# Altium PCB 606-100835-r03.pcbdoc (part 1 of 3) (continued)
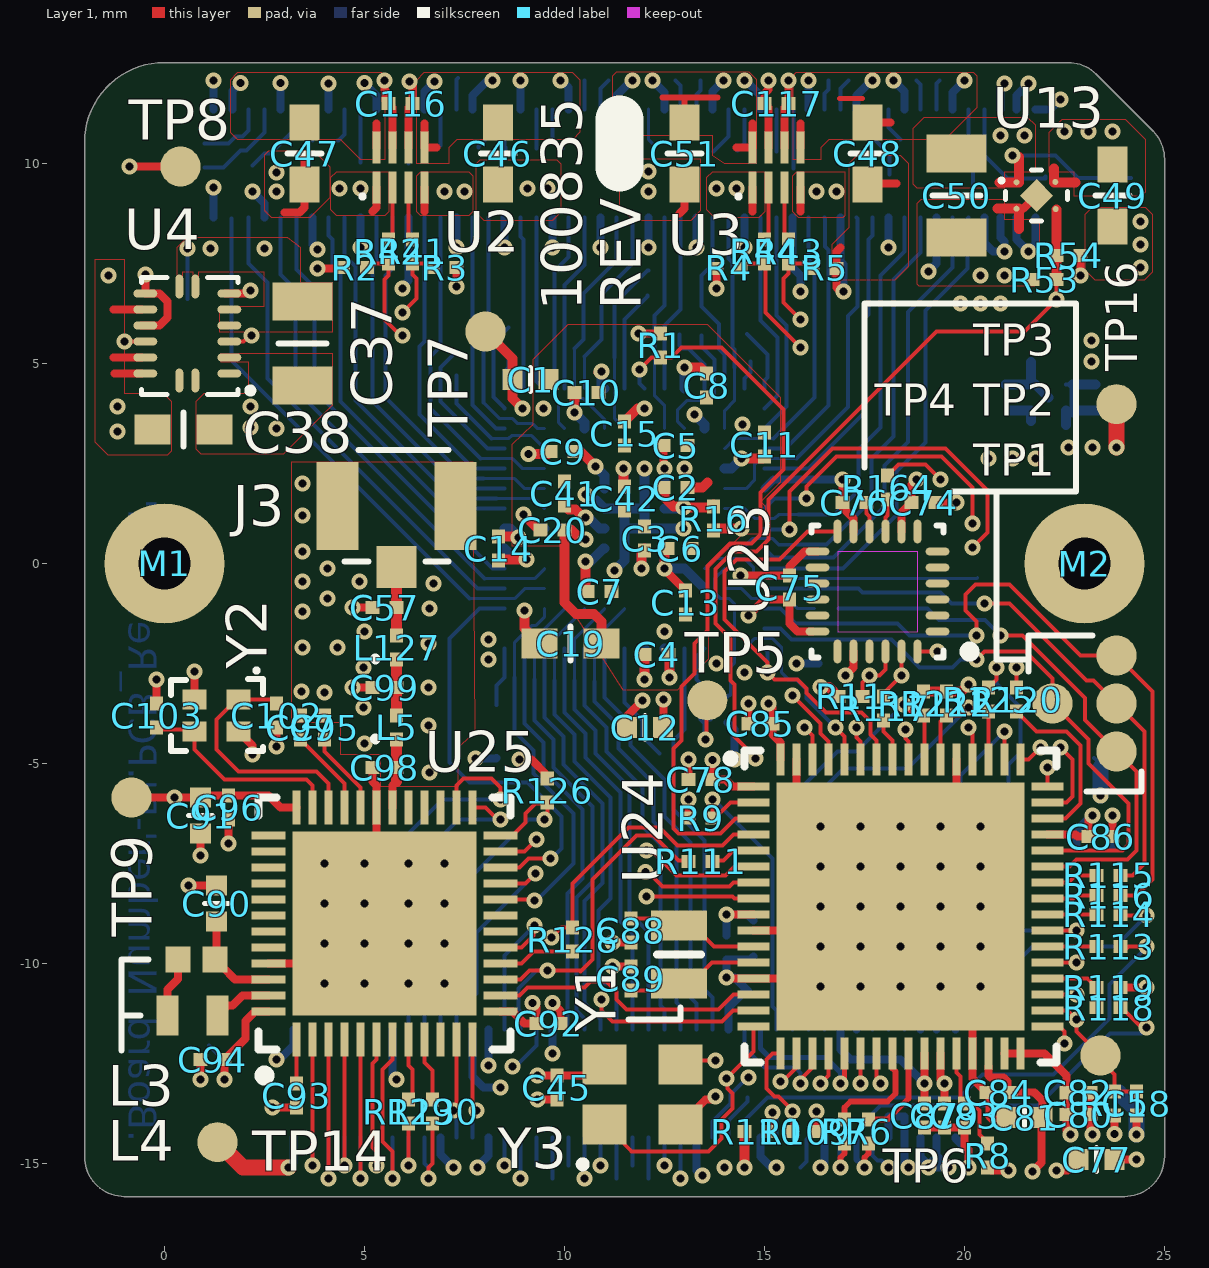
[diagram p0: Layer 1 view]
## Design rules (kind name [scope] priority, off if disabled: settings) (continued)
RoutingTopology [All] p0: scope1count=1 scope1_0_kind=Board scope1_0_value=Board scope2count=1 scope2_0_kind=Board scope2_0_value=Board commentlength=0 topology=Shortest
RoutingVias THVias [All] p0 off: scope1count=1 scope1_0_kind=Board scope1_0_value=Board scope2count=1 scope2_0_kind=Board scope2_0_value=Board commentlength=91 holewidth=0.2 width=0.4 viastyle="Through Hole" minholewidth=0.2 minwidth=0.4 maxholewidth=0.2 maxwidth=0.4 // Protel DXP Scope 1 Expression Was: ((StartLayer ='Layer 1') and (stopLayer='Layer 6' ))
RoutingVias MicroVias [All] p0 off: scope1count=1 scope1_0_kind=Board scope1_0_value=Board scope2count=1 scope2_0_kind=Board scope2_0_value=Board commentlength=89 holewidth=0.279 width=0.381 viastyle="Through Hole" minholewidth=0.279 minwidth=0.381 maxholewidth=0.279 maxwidth=0.381 // Protel DXP Scope 1 Expression Was: (StartLayer ='Layer 4') and (stopLayer='Layer 6' )
RoutingVias MicroVias [(StartLayer ='Layer 4') and (stopLayer='Layer 6' )] p1: holewidth=0.279 width=0.381 viastyle="Through Hole" minholewidth=0.279 minwidth=0.381 maxholewidth=0.279 maxwidth=0.381 useviatemplates=TRUE viatemplateguid#1={BAE8E7A9-EEE1-499E-BC9C-5D935B84C81D} viatemplatename#1=v38h28mx0
RoutingVias THVias [((StartLayer ='Layer 1') and (stopLayer='Layer 6' ))] p2: holewidth=0.2 width=0.4 viastyle="Through Hole" minholewidth=0.2 minwidth=0.4 maxholewidth=0.2 maxwidth=0.4
ShortCircuit [All] p0: scope1count=1 scope1_0_kind=Board scope1_0_value=Board scope2count=1 scope2_0_kind=Board scope2_0_value=Board commentlength=0 allowed=FALSE
SilkToBoardRegionClearance [All] p0: scope1count=1 scope1_0_kind=Board scope1_0_value=Board scope2count=1 scope2_0_kind=Board scope2_0_value=Board commentlength=0
SilkToSilkClearance [All] p0: scope1count=1 scope1_0_kind=Board scope1_0_value=Board scope2count=1 scope2_0_kind=Board scope2_0_value=Board commentlength=0
SilkToSilkClearance [All] p1: silktosilkclearance=0.017
SilkToSolderMaskClearance [All] p0 off: scope1count=1 scope1_0_kind=Board scope1_0_value=Board scope2count=1 scope2_0_kind=Board scope2_0_value=Board commentlength=44 // Protel DXP Scope 1 Expression Was: IsPad
SilkToSolderMaskClearance [IsPad] p1: minsilkscreentomaskgap=0.1 clearancetoexposedcopper=TRUE
SolderMaskExpansion [All] p0: scope1count=1 scope1_0_kind=Board scope1_0_value=Board scope2count=1 scope2_0_kind=Board scope2_0_value=Board commentlength=0 expansion=0.05
SolderMaskExpansion [All] p1: expansion=0.05
UnRoutedNet [All] p0: scope1count=1 scope1_0_kind=Board scope1_0_value=Board scope2count=1 scope2_0_kind=Board scope2_0_value=Board commentlength=0
UnpouredPolygon [All] p0: scope1count=1 scope1_0_kind=Board scope1_0_value=Board scope2count=1 scope2_0_kind=Board scope2_0_value=Board commentlength=0
Width Width_1 [All] p0: scope1count=1 scope1_0_kind=Board scope1_0_value=Board scope2count=1 scope2_0_kind=Board scope2_0_value=Board commentlength=0 maxlimit=0.35 minlimit=0.083 preferedwidth=0.2
Width Width_PWR_GND [All] p0: scope1count=1 scope1_0_kind=NetClass scope1_0_value=PWR_GND scope2count=1 scope2_0_kind=Board scope2_0_value=Board commentlength=0 maxlimit=0.4 minlimit=0.1 preferedwidth=0.2
Width Width_PWR_GND [InNetClass('PWR_GND')] p1: maxlimit=0.4 minlimit=0.1 preferedwidth=0.2
Width Width_1 [All] p2: maxlimit=0.35 minlimit=0.083 preferedwidth=0.2 toplayer_minwidth=0.1 toplayer_prefwidth=0.1 midlayer1_minwidth=0.1 midlayer1_maxwidth=0.3 midlayer1_prefwidth=0.1 midlayer3_minwidth=0.1 midlayer3_maxwidth=0.3 midlayer4_minwidth=0.1 midlayer4_maxwidth=0.3 midlayer4_prefwidth=0.1 bottomlayer_prefwidth=0.1 minimp=50.000000 maximp=50.000000 favimp=50.000000
17 further rules are at their usual default settings.

## Classes and differential pairs
pad class U6andU13Clearance: U6-5 U13-5
net class BGA: FPGA_CDONE FPGA_CRESET FPGA_DATA_RDY FPGA_GPIO_1 FPGA_GPIO_2 FPGA_GPIO_3 FPGA_GPIO_4 FPGA_GPIO_5 FPGA_GPIO_6 FPGA_GPIO_7 FPGA_GPIO_8 FPGA_GPIO_9 FPGA_GPIO_10 FPGA_JTAGEN FPGA_MCLK FPGA_MCU_1 FPGA_MCU_2 FPGA_MCU_3 FPGA_MISO FPGA_MOSI FPGA_NCS FPGA_NRST FPGA_SCLK FPGA_SDO FPGA_TCK FPGA_TDI FPGA_TDO FPGA_TMS NRF_FPGA_GPIO_1 NRF_FPGA_GPIO_2 SENSOR_A1 SENSOR_A2 SENSOR_A3 SENSOR_A4 SENSOR_A5 SENSOR_A6 SENSOR_A7 SENSOR_A8 SENSOR_A9 SENSOR_A10 SENSOR_A11 SENSOR_A12 SENSOR_A13 SENSOR_A14 SENSOR_A15 SENSOR_A16 SENSOR_A17 SENSOR_A18 SENSOR_A19 SENSOR_A20 SENSOR_A21 SENSOR_A22 SENSOR_A23 SENSOR_A24 SENSOR_A25 SENSOR_A26 SENSOR_A27 SENSOR_A28 SENSOR_A29 SENSOR_A30 SENSOR_A31 SENSOR_A32 SENSOR_B1 SENSOR_B2 SENSOR_B3 SENSOR_B4 SENSOR_B5 SENSOR_B6 SENSOR_B7 SENSOR_B8 SENSOR_B9 SENSOR_B10 SENSOR_B11 SENSOR_B12 SENSOR_B13 SENSOR_B14 SENSOR_B15 SENSOR_B16 SENSOR_B17 SENSOR_B18 SENSOR_B19 SENSOR_B20 SENSOR_B21 SENSOR_B22 SENSOR_B23 SENSOR_B24 SENSOR_B25 SENSOR_B26 SENSOR_B27 SENSOR_B28 SENSOR_B29 SENSOR_B30 SENSOR_B31 SENSOR_B32
component class U_FPGA_Power: C1 C2 C3 C4 C5 C6 C7 C8 C9 C10 C11 C12 C13 C14 C15 C19 C20 C41 C42 D1 R16
component class U_FPGA_IO: C18 C45 C46 C47 C48 C51 C116 C117 R2 R3 R4 R5 R10 R12 R13 R15 R41 R42 R43 R44 TP1 TP2 TP3 TP4 TP5 TP6 U1 U2 U3 Y3
component class U_MCU_IMU: C16 C17 C21 C52 C74 C75 C76 C77 C78 C79 C80 C81 C82 C83 C84 C85 C86 C87 C88 C89 R1 R6 R7 R8 R9 R11 R14 R109 R110 R111 R112 R113 R114 R115 R116 R117 R118 R119 R120 R122 R125 R164 U23 U24 Y1
component class U_NorthSide: J1
component class U_PowerCore: C37 C38 C39 C40 C49 C50 M1 M2 R53 R54 TP7 TP8 TP9 TP10 TP11 TP12 TP13 TP14 TP15 TP16 U4 U6 U13
component class U_RADIO: C57 C90 C91 C92 C93 C94 C95 C96 C97 C98 C99 C102 C103 J3 L3 L4 L5 L127 R126 R128 R129 R130 U25 Y2
component class U_SouthSide: J2
net class SENSOR_A[1..32]: SENSOR_A1 SENSOR_A2 SENSOR_A3 SENSOR_A4 SENSOR_A5 SENSOR_A6 SENSOR_A7 SENSOR_A8 SENSOR_A9 SENSOR_A10 SENSOR_A11 SENSOR_A12 SENSOR_A13 SENSOR_A14 SENSOR_A15 SENSOR_A16 SENSOR_A17 SENSOR_A18 SENSOR_A19 SENSOR_A20 SENSOR_A21 SENSOR_A22 SENSOR_A23 SENSOR_A24 SENSOR_A25 SENSOR_A26 SENSOR_A27 SENSOR_A28 SENSOR_A29 SENSOR_A30 SENSOR_A31 SENSOR_A32
net class SENSOR_B[1..32]: SENSOR_B1 SENSOR_B2 SENSOR_B3 SENSOR_B4 SENSOR_B5 SENSOR_B6 SENSOR_B7 SENSOR_B8 SENSOR_B9 SENSOR_B10 SENSOR_B11 SENSOR_B12 SENSOR_B13 SENSOR_B14 SENSOR_B15 SENSOR_B16 SENSOR_B17 SENSOR_B18 SENSOR_B19 SENSOR_B20 SENSOR_B21 SENSOR_B22 SENSOR_B23 SENSOR_B24 SENSOR_B25 SENSOR_B26 SENSOR_B27 SENSOR_B28 SENSOR_B29 SENSOR_B30 SENSOR_B31 SENSOR_B32
net class SENSOR_VCC[1..4]: SENSOR_VCC1 SENSOR_VCC2 SENSOR_VCC3 SENSOR_VCC4
net class PWR_GND: GND VCC_1V2 VCC_3V3_CORE VCC_3V3_SENSORS VCC_3V6 VCC_PLL
differential pair USB_D: +USB_D_P -USB_D_N
differential pair " ": +USB_MCU_D_P -USB_MCU_D_N

## Components (designator, comment, footprint, x,y, rotation, side; value= is the part's Value field where it differs from the comment)
C1 "4.7uF" 0402-IPCsm_55 9.15,4.6 r180 top
C2 "0.1uF" 0201-ipcsm_33 12.775,1.9 r0 top
C3 "0.1uF" 0201-ipcsm_33 12,0.625 r90 top
C4 "0.1uF" 0201-ipcsm_33 12.3,-2.275 r0 top
C5 "0.1uF" 0201-ipcsm_33 12.775,2.95 r0 top
C6 "0.1uF" 0201-ipcsm_33 12.875,0.375 r0 top
C7 "0.1uF" 0201-ipcsm_33 10.875,-0.7 r0 top
C8 "0.1uF" 0201-ipcsm_33 13.55,4.45 r270 top
C9 "0.1uF" 0201-ipcsm_33 9.95,2.8 r180 top
C10 "0.1uF" 0201-ipcsm_33 10.55,4.275 r0 top
C11 "0.1uF" 0201-ipcsm_33 15,2.975 r90 top
C12 "4.7uF" 0402-IPCsm_55 12.015,-4.1 r180 top
C13 "0.1uF" 0201-ipcsm_33 13.025,-0.975 r270 top
C14 "0.1uF" 0201-ipcsm_33 8.35,0.375 r270 top
C15 "0.1uF" 0201-ipcsm_33 11.5,3.25 r270 top
C16 "0.1uF" 0201-IPCsm_33 14.05,-9.6 r270 bottom
C17 "4.7uF" 0402-IPCsm_55 23.25,-7.05 r180 bottom
C18 "0.1uF" 0201-IPCsm_33 24.3,-13.5 r270 top
C19 "10uF" 0603-IPCsm_90 10.15,-2 r180 top
C20 "0.1uF" 0201-IPCsm_33 9.7,0.837 r0 top
C21 "4.7uF" 0402-IPCsm_55 14.725,-9.375 r90 bottom
C37 "47uF" 0805-ipcsm_145 3.45,5.5 r270 top
C38 "10uF" 0603-IPCsm_90 0.475,3.35 r180 top
C39 "10uF" 0603-IPCsm_90 23.95,4.55 r270 bottom
C40 "47uF" 0805-ipcsm_145 20.075,4.525 r90 bottom
C41 "0.1uF" 0201-ipcsm_33 10,1.75 r90 top
C42 "0.1uF" 0201-ipcsm_33 11.5,1.625 r270 top
C45 "0.1uF" 0201-ipcsm_33 9.811,-13.1 r270 top
C46 "10uF" 0603-IPCsm_90 8.331,10.25 r90 top
C47 "10uF" 0603-IPCsm_90 3.5,10.25 r90 top
C48 "10uF" 0603-IPCsm_90 17.575,10.25 r90 top
C49 "10uF" 0603-IPCsm_90 23.7,9.2 r90 top
C50 "47uF" 0805-ipcsm_145 19.8,9.2 r270 top
C51 "10uF" 0603-IPCsm_90 13,10.25 r90 top
C52 "0.1uF" 0201-IPCsm_33 14.9,-10.7 r180 bottom
C57 "1.2pF" 0201-IPCsm_33 5.5,-1.1 r180 top
C74 "0.1uF" 0201-ipcsm_33 18.975,1.525 r180 top
C75 "0.1uF" 0201-ipcsm_33 15.625,-0.601 r90 top
C76 "0.1uF" 0201-ipcsm_33 17.25,1.525 r180 top
C77 "4.7uF" 0402-IPCsm_55 23.3,-14.9 r0 top
C78 "0.1uF" 0201-ipcsm_33 13.4,-5.4 r0 top
C79 "0.1uF" 0201-ipcsm_33 19.5,-13.8 r90 top
C80 "0.1uF" 0201-ipcsm_33 22.85,-13.775 r180 top
C81 "4.7uF" 0402-IPCsm_55 21.5,-13.85 r180 top
C82 "0.1uF" 0201-ipcsm_33 22.85,-13.231 r180 top
C83 "0.1uF" 0201-ipcsm_33 20,-13.8 r270 top
C84 "0.1uF" 0201-ipcsm_33 20.85,-13.225 r180 top
C85 "0.1uF" 0201-ipcsm_33 14.899,-4.005 r0 top
C86 "0.1uF" 0201-ipcsm_33 23.4,-6.825 r0 top
C87 "0.1uF" 0201-ipcsm_33 19,-13.8 r90 top
C88 "18pF" 0201-IPCsm_33 11.659,-9.175 r270 top
C89 "18pF" 0201-IPCsm_33 11.659,-10.375 r90 top
C90 "1uF" 0402-IPCsm_55 1.3,-8.5 r90 top
C91 "4.7uF" 0402-IPCsm_55 0.9,-6.3 r270 top
C92 "0.1uF" 0201-ipcsm_33 9.6,-11.5 r180 top
C93 "0.1uF" 0201-ipcsm_33 3.3,-13.3 r270 top
C94 "0.1uF" 0201-ipcsm_33 1.2,-12.4 r0 top
C95 "0.1uF" 0201-ipcsm_33 4,-4.1 r90 top
C96 "0.1uF" 0201-ipcsm_33 1.6,-6.1 r90 top
C97 "100pF" 0201-IPCsm_33 3.4,-4.1 r90 top
C98 ".8pF" 0201-IPCsm_33 5.5,-5.1 r180 top
C99 ".8pF" 0201-IPCsm_33 5.5,-3.1 r180 top
C102 "3.9pF" 0201-IPCsm_33 2.8,-3.8 r270 top
C103 "3.9pF" 0201-IPCsm_33 -0.2,-3.8 r90 top
C116 "0.1uF" 0201-ipcsm_33 5.9,11.5 r180 top
C117 "0.1uF" 0201-ipcsm_33 15.3,11.5 r180 top
D1 "RB520S30T1G" SOD523 8.3,-4.2 r90 bottom
J1 "DF40C-100DP-0.4(51)" con100_hirose-df40c-100dp_129h 11.5,10 r0 bottom locked
J2 "DF40C-80DP-0.4(51)" con80_hirose-df40c-80dp_129h 11.5,-13 r0 bottom locked
J3 "U_FL" con_hrs_U_FL-SMT 5.8,0.675 r180 top
L3 "15nH" IND_0402-36_LQP15M 0.8,-9.9 r0 top
L4 "10uH" IND-0603_32H 0.7,-11.3 r180 top
L5 "3.9nH" 0201-IPCsm_33 5.8,-4.1 r90 top
L127 "1.8nH" 0201-IPCsm_33 5.8,-2.1 r90 top
M1 "MTGC300H130P" MTGC300H130P 0,0 r0 top locked
M2 "MTGC300H130P" MTGC300H130P 23,0 r0 top locked
R1 "10k" 0201-IPCsm_26 12.4,5.45 r90 top
R2 "10k" 0201-IPCsm_26 4.757,7.4 r180 top
R3 "10k" 0201-IPCsm_26 7,7.4 r0 top
R4 "10k" 0201-IPCsm_26 14.1,7.375 r180 top
R5 "10k" 0201-IPCsm_26 16.5,7.375 r0 top
R6 "37.4" 0201-IPCsm_26 17.6,-14.2 r270 top
R7 "37.4" 0201-IPCsm_26 17,-14.2 r270 top
R8 "0.0" 0201-IPCsm_26 20.575,-14.8 r90 top
R9 "10k" 0201-IPCsm_26 13.4,-6.365 r0 top
R10 "33" 0201-IPCsm_26 16.55,-1.125 r180 bottom
R11 "10k" 0201-IPCsm_26 17.15,-3.325 r0 top
R12 "10k" 0201-IPCsm_26 16.35,-2.2 r270 bottom
R13 "1k" 0201-IPCsm_26 14.1,-3.6 r90 bottom
R14 "0.0" 0201-IPCsm_26 13.4,-3.6 r270 bottom
R15 "10k" 0201-IPCsm_26 23.75,-13.5 r90 top
R16 "100" 0201-IPCsm_26 13.725,1.125 r270 top
R41 "17.8k" 0201-IPCsm_26 6.2,7.8 r90 top
R42 "17.8k" 0201-IPCsm_26 5.6,7.8 r90 top
R43 "17.8k" 0201-IPCsm_26 15.6,7.8 r90 top
R44 "17.8k" 0201-IPCsm_26 15,7.8 r90 top
R53 "4.7K" 0201-IPCsm_26 22,7.1 r180 top
R54 "4.7K" 0201-IPCsm_26 22.6,7.7 r180 top
R109 "10k" 0201-IPCsm_26 16,-14.2 r180 top
R110 "10k" 0201-IPCsm_26 14.8,-14.2 r0 top
R111 "33" 0201-IPCsm_26 13.4,-7.45 r180 top
R112 "10k" 0201-IPCsm_26 19.55,-3.5 r270 top
R113 "33" 0201-IPCsm_26 23.6,-9.575 r180 top
R114 "33" 0201-IPCsm_26 23.6,-8.775 r180 top
R115 "33" 0201-IPCsm_26 23.6,-7.8 r0 top
R116 "33" 0201-IPCsm_26 23.6,-8.3 r0 top
R117 "33" 0201-IPCsm_26 17.975,-3.625 r270 top
R118 "27K" 0201-IPCsm_26 23.6,-11.1 r0 top
R119 "47k" 0201-IPCsm_26 23.6,-10.6 r0 top
R120 "33" 0201-IPCsm_26 21.3,-3.4 r270 top
R122 "10k" 0201-IPCsm_26 18.975,-3.5 r270 top
R125 "33" 0201-IPCsm_26 20.6,-3.4 r90 top
R126 "10k" 0201-IPCsm_26 9.569,-5.675 r270 top
R128 "33" 0201-IPCsm_26 10.2,-9.4 r270 top
R129 "33" 0201-IPCsm_26 6.1,-13.7 r90 top
R130 "33" 0201-IPCsm_26 6.7,-13.7 r90 top
R164 "33" 0201-IPCsm_26 18.075,1.9 r270 top
TP1 "tp-1mm" TP-S100_SMT 23.8,-4.7 r90 top
TP2 "tp-1mm" TP-S100_SMT 23.8,-3.5 r90 top
TP3 "tp-1mm" TP-S100_SMT 23.8,-2.3 r90 top
TP4 "tp-1mm" TP-S100_SMT 22.2,-3.5 r90 top
TP5 "tp-1mm" TP-S100_SMT 13.569,-3.421 r90 top
TP6 "tp-1mm" TP-S100_SMT 23.4,-12.3 r90 top
TP7 "tp-1mm" TP-S100_SMT 8.025,5.8 r90 top
TP8 "tp-1mm" TP-S100_SMT 0.4,9.925 r90 top
TP9 "tp-1mm" TP-S100_SMT -0.825,-5.85 r90 top
TP10 "tp-1mm" TP-S100_SMT 0.544,6.608 r90 bottom
TP11 "tp-1mm" TP-S100_SMT 24.162,9.635 r90 bottom
TP12 "tp-1mm" TP-S100_SMT 1.107,-12.046 r90 bottom
TP13 "tp-1mm" TP-S100_SMT 23.857,-13.225 r90 bottom
TP14 "tp-1mm" TP-S100_SMT 1.324,-14.466 r90 top
TP15 "tp-1mm" TP-S100_SMT 23.395,-4.871 r90 bottom
TP16 "tp-1mm" TP-S100_SMT 23.799,3.985 r90 top
U1 "ICE40HX8K-CB132" LATC-csBGA-132 11.75,1.125 r270 bottom locked
U2 "SLG59M1599V" STDFN8_SLG59M1599V 5.9,9.9 r90 top
U3 "SLG59M1599V" STDFN8_SLG59M1599V 15.3,9.9 r90 top
U4 "EP5357LUI" qfn16_ep5357lui 0.57,5.75 r180 top
U6 "TLV70733DQNR1" son4_tlv707dqn 22.1,4.15 r270 bottom
U13 "TLV70733DQNR1" son4_tlv707dqn 21.8,9.2 r90 top
U23 "MPU-6500" QFN24_mpu-6500_3x3 17.825,-0.7 r180 top
U24 "ATSAMG55J19A-MU" qfn64_atsamg55j19a_no_vias 18.4,-8.575 r0 top locked
U25 "nRF52832_QFAA" QFN48_6X6MM_NO_VIAS 5.5,-9 r90 top
Y1 "ABS06-32.768KHZ-9-1-T" xtal_abs06 12.859,-9.775 r270 top
Y2 "32MHz" Xtal_abm12 1.3,-3.8 r180 top
Y3 "48MHz" XTAL_SiT1602_250x200x80 11.956,-13.269 r0 top

## Footprints (in the part's own frame and the unit in brackets; to place one, negate y for a bottom-side part, rotate by r counter-clockwise, add the part's x,y. Pads: shape width x height; smd on the part's side, far side on the other; paste and mask are expansions set on the pad)
0201-IPCsm_26 [mm] "0201-IPCSM_26"
  rect 0.35x0.33 smd mask+0: 1(-0.3,0) 2(0.3,0)
0201-ipcsm_33 [mm] "0201-IPCSM_33"
  rect 0.35x0.33 smd mask+0: 1(-0.3,0) 2(0.3,0)
0201-IPCsm_33 [mm] "0201-IPCSM_33"
  rect 0.35x0.33 smd mask+0: 1(-0.3,0) 2(0.3,0)
0402-IPCsm_55 [mm] "0402-IPCSM_55"
  rect 0.5x0.52 smd mask+0: 1(-0.45,0) 2(0.45,0)
  silkscreen extent 0,-0.3 0,0.3
0603-IPCsm_90 [mm] "0603-IPCSM_90"
  rect 0.9x0.75 smd mask+0: 1(0.775,0) 2(-0.775,0)
  silkscreen extent 0,-0.42 0,0.42
0805-ipcsm_145 [mm] "0805-IPCSM_145"
  rect 0.95x1.5 smd mask+0: 1(-1.05,0) 2(1.05,0)
  silkscreen extent 0,-0.6 0,0.6
con80_hirose-df40c-80dp_129h [mm] "CONN HDR 80POS 0.4MM SMD GOLD"
  rect 0.23x0.66 smd mask+0: 1(-7.8,1.355) 2(-7.8,-1.355) 3(-7.4,1.355) 4(-7.4,-1.355) 5(-7,1.355) 6(-7,-1.355) 7(-6.6,1.355) 8(-6.6,-1.355) 9(-6.2,1.355) 10(-6.2,-1.355) 11(-5.8,1.355) 12(-5.8,-1.355) 13(-5.4,1.355) 14(-5.4,-1.355) 15(-5,1.355) 16(-5,-1.355) 17(-4.6,1.355) 18(-4.6,-1.355) 19(-4.2,1.355) 20(-4.2,-1.355) 21(-3.8,1.355) 22(-3.8,-1.355) 23(-3.4,1.355) 24(-3.4,-1.355) 25(-3,1.355) 26(-3,-1.355) 27(-2.6,1.355) 28(-2.6,-1.355) 29(-2.2,1.355) 30(-2.2,-1.355) 31(-1.8,1.355) 32(-1.8,-1.355) 33(-1.4,1.355) 34(-1.4,-1.355) 35(-1,1.355) 36(-1,-1.355) 37(-0.6,1.355) 38(-0.6,-1.355) 39(-0.2,1.355) 40(-0.2,-1.355) 41(0.2,1.355) 42(0.2,-1.355) 43(0.6,1.355) 44(0.6,-1.355) 45(1,1.355) 46(1,-1.355) 47(1.4,1.355) 48(1.4,-1.355) 49(1.8,1.355) 50(1.8,-1.355) 51(2.2,1.355) 52(2.2,-1.355) 53(2.6,1.355) 54(2.6,-1.355) 55(3,1.355) 56(3,-1.355) 57(3.4,1.355) 58(3.4,-1.355) 59(3.8,1.355) 60(3.8,-1.355) 61(4.2,1.355) 62(4.2,-1.355) 63(4.6,1.355) 64(4.6,-1.355) 65(5,1.355) 66(5,-1.355) 67(5.4,1.355) 68(5.4,-1.355) 69(5.8,1.355) 70(5.8,-1.355) 71(6.2,1.355) 72(6.2,-1.355) 73(6.6,1.355) 74(6.6,-1.355) 75(7,1.355) 76(7,-1.355) 77(7.4,1.355) 78(7.4,-1.355) 79(7.8,1.355) 80(7.8,-1.355)
  rect 0.35x0.66 smd mask+0: 81(-8.275,1.355) 82(-8.275,-1.355) 83(8.275,1.355) 84(8.275,-1.355)
  silkscreen extent -9.34,-1.02 9.34,1.02
con100_hirose-df40c-100dp_129h [mm] "CONN HDR 100POS 0.4MM SMD GOLD"
  rect 0.23x0.66 smd mask+0: 1(-9.8,1.355) 2(-9.8,-1.355) 3(-9.4,1.355) 4(-9.4,-1.355) 5(-9,1.355) 6(-9,-1.355) 7(-8.6,1.355) 8(-8.6,-1.355) 9(-8.2,1.355) 10(-8.2,-1.355) 11(-7.8,1.355) 12(-7.8,-1.355) 13(-7.4,1.355) 14(-7.4,-1.355) 15(-7,1.355) 16(-7,-1.355) 17(-6.6,1.355) 18(-6.6,-1.355) 19(-6.2,1.355) 20(-6.2,-1.355) 21(-5.8,1.355) 22(-5.8,-1.355) 23(-5.4,1.355) 24(-5.4,-1.355) 25(-5,1.355) 26(-5,-1.355) 27(-4.6,1.355) 28(-4.6,-1.355) 29(-4.2,1.355) 30(-4.2,-1.355) 31(-3.8,1.355) 32(-3.8,-1.355) 33(-3.4,1.355) 34(-3.4,-1.355) 35(-3,1.355) 36(-3,-1.355) 37(-2.6,1.355) 38(-2.6,-1.355) 39(-2.2,1.355) 40(-2.2,-1.355) 41(-1.8,1.355) 42(-1.8,-1.355) 43(-1.4,1.355) 44(-1.4,-1.355) 45(-1,1.355) 46(-1,-1.355) 47(-0.6,1.355) 48(-0.6,-1.355) 49(-0.2,1.355) 50(-0.2,-1.355) 51(0.2,1.355) 52(0.2,-1.355) 53(0.6,1.355) 54(0.6,-1.355) 55(1,1.355) 56(1,-1.355) 57(1.4,1.355) 58(1.4,-1.355) 59(1.8,1.355) 60(1.8,-1.355) 61(2.2,1.355) 62(2.2,-1.355) 63(2.6,1.355) 64(2.6,-1.355) 65(3,1.355) 66(3,-1.355) 67(3.4,1.355) 68(3.4,-1.355) 69(3.8,1.355) 70(3.8,-1.355) 71(4.2,1.355) 72(4.2,-1.355) 73(4.6,1.355) 74(4.6,-1.355) 75(5,1.355) 76(5,-1.355) 77(5.4,1.355) 78(5.4,-1.355) 79(5.8,1.355) 80(5.8,-1.355) 81(6.2,1.355) 82(6.2,-1.355) 83(6.6,1.355) 84(6.6,-1.355) 85(7,1.355) 86(7,-1.355) 87(7.4,1.355) 88(7.4,-1.355) 89(7.8,1.355) 90(7.8,-1.355) 91(8.2,1.355) 92(8.2,-1.355) 93(8.6,1.355) 94(8.6,-1.355) 95(9,1.355) 96(9,-1.355) 97(9.4,1.355) 98(9.4,-1.355) 99(9.8,1.355) 100(9.8,-1.355)
  rect 0.35x0.66 smd mask+0: 101(-10.275,1.355) 102(-10.275,-1.355) 103(10.275,1.355) 104(10.275,-1.355)
  silkscreen extent -11.81,-1.02 11.81,1.02
con_hrs_U_FL-SMT [mm] "con_hrs_U_FL-SMT"
  rect 1x1.05 smd mask+0: 1(0,0.763)
  rect 1.05x2.2 smd mask+0: 2(-1.475,-0.762) 3(1.475,-0.762)
  silkscreen extent -1.3,-2.16 1.3,0.63
IND-0603_32H [mm] "Chip Inductor, 2-Leads, Body 1.60x0.80mm, IPC Medium Density"
  rect 0.55x1 smd: 1(-0.625,0) 2(0.625,0)
IND_0402-36_LQP15M [mm] "Chip Inductor, 2-Leads, Body 1.00x0.50mm, IPC Medium Density"
  rect 0.63x0.64 smd: 1(-0.465,0) 2(0.465,0)
LATC-csBGA-132 [mm] "BGA, 132-Balls, Body 8x8mm, Pitch 0.5mm"
  round 0.25 smd: A1(-3.25,3.25) A2(-2.75,3.25) A3(-2.25,3.25) A4(-1.75,3.25) A5(-1.25,3.25) A6(-0.75,3.25) A7(-0.25,3.25) A8(0.25,3.25) A9(0.75,3.25) A10(1.25,3.25) A11(1.75,3.25) A12(2.25,3.25) A13(2.75,3.25) A14(3.25,3.25) B1(-3.25,2.75) B14(3.25,2.75) C1(-3.25,2.25) C3(-2.25,2.25) C4(-1.75,2.25) C5(-1.25,2.25) C6(-0.75,2.25) C7(-0.25,2.25) C8(0.25,2.25) C9(0.75,2.25) C10(1.25,2.25) C11(1.75,2.25) C12(2.25,2.25) C14(3.25,2.25) D1(-3.25,1.75) D3(-2.25,1.75) D4(-1.75,1.75) D5(-1.25,1.75) D6(-0.75,1.75) D7(-0.25,1.75) D8(0.25,1.75) D9(0.75,1.75) D10(1.25,1.75) D11(1.75,1.75) D12(2.25,1.75) D14(3.25,1.75) E1(-3.25,1.25) E3(-2.25,1.25) E4(-1.75,1.25) E11(1.75,1.25) E12(2.25,1.25) E14(3.25,1.25) F1(-3.25,0.75) F3(-2.25,0.75) F4(-1.75,0.75) F6(-0.75,0.75) F7(-0.25,0.75) F8(0.25,0.75) F9(0.75,0.75) F11(1.75,0.75) F12(2.25,0.75) F14(3.25,0.75) G1(-3.25,0.25) G3(-2.25,0.25) G4(-1.75,0.25) G6(-0.75,0.25) G7(-0.25,0.25) G8(0.25,0.25) G9(0.75,0.25) G11(1.75,0.25) G12(2.25,0.25) G14(3.25,0.25) H1(-3.25,-0.25) H3(-2.25,-0.25) H4(-1.75,-0.25) H6(-0.75,-0.25) H7(-0.25,-0.25) H8(0.25,-0.25) H9(0.75,-0.25) H11(1.75,-0.25) H12(2.25,-0.25) H14(3.25,-0.25) J1(-3.25,-0.75) J3(-2.25,-0.75) J4(-1.75,-0.75) J6(-0.75,-0.75) J7(-0.25,-0.75) J8(0.25,-0.75) J9(0.75,-0.75) J11(1.75,-0.75) J12(2.25,-0.75) J14(3.25,-0.75) K1(-3.25,-1.25) K3(-2.25,-1.25) K4(-1.75,-1.25) K11(1.75,-1.25) K12(2.25,-1.25) K14(3.25,-1.25) L1(-3.25,-1.75) L3(-2.25,-1.75) L4(-1.75,-1.75) L5(-1.25,-1.75) L6(-0.75,-1.75) L7(-0.25,-1.75) L8(0.25,-1.75) L9(0.75,-1.75) L10(1.25,-1.75) L11(1.75,-1.75) L12(2.25,-1.75) L14(3.25,-1.75) M1(-3.25,-2.25) M3(-2.25,-2.25) M4(-1.75,-2.25) M5(-1.25,-2.25) M6(-0.75,-2.25) M7(-0.25,-2.25) M8(0.25,-2.25) M9(0.75,-2.25) M10(1.25,-2.25) M11(1.75,-2.25) M12(2.25,-2.25) M14(3.25,-2.25) N1(-3.25,-2.75) N14(3.25,-2.75) P1(-3.25,-3.25) P2(-2.75,-3.25) P3(-2.25,-3.25) P4(-1.75,-3.25) P5(-1.25,-3.25) P6(-0.75,-3.25) P7(-0.25,-3.25) P8(0.25,-3.25) P9(0.75,-3.25) P10(1.25,-3.25) P11(1.75,-3.25) P12(2.25,-3.25) P13(2.75,-3.25) P14(3.25,-3.25)
  silkscreen extent -4.77,-4 4,4
MTGC300H130P [mm] "1.3mm hole w/ 3.00mm Annular Ring"
  round 3 / inner round 0 / far side round 3 hole 1.3 paste-10 mask+0: 1(0,0)
qfn16_ep5357lui [mm] "DC/DC CONVERTER 0.6-5.2V 3W"
  oval 0.6x0.2 smd mask+0: 1(-1.05,1) 2(-1.05,0.6) 3(-1.05,0.2) 4(-1.05,-0.2) 5(-1.05,-0.6) 6(-1.05,-1) 9(1.05,-1) 10(1.05,-0.6) 11(1.05,-0.2) 12(1.05,0.2) 13(1.05,0.6) 14(1.05,1)
  oval 0.2x0.6 smd mask+0: 7(-0.2,-1.175) 8(0.2,-1.175) 15(0.2,1.175) 16(-0.2,1.175)
  silkscreen extent -1.65,-1.4 1.14,1.52
QFN24_mpu-6500_3x3 [mm] "QFN24_MPU-6500_3X3"
  oval 0.6x0.2 smd mask+0: 1(-1.5,1) 2(-1.5,0.6) 3(-1.5,0.2) 4(-1.5,-0.2) 5(-1.5,-0.6) 6(-1.5,-1) 13(1.5,-1) 14(1.5,-0.6) 15(1.5,-0.2) 16(1.5,0.2) 17(1.5,0.6) 18(1.5,1)
  oval 0.2x0.6 smd mask+0: 7(-1,-1.5) 8(-0.6,-1.5) 9(-0.2,-1.5) 10(0.2,-1.5) 11(0.6,-1.5) 12(1,-1.5) 19(1,1.5) 20(0.6,1.5) 21(0.2,1.5) 22(-0.2,1.5) 23(-0.6,1.5) 24(-1,1.5)
  Layer 1 keep-out region: -1,-1 1,-1 1,1 -1,1
  silkscreen extent -2.43,-1.65 1.65,1.65
QFN48_6X6MM_NO_VIAS [mm] "QFN, 48-Leads, Body 6.00x6.00mm, Pitch 0.40mm, Thermal Pad 4.60x4.60mm, IPC Medium Density"
  rect 0.85x0.2 smd mask+0: 1(-2.9,2.2) 2(-2.9,1.8) 3(-2.9,1.4) 4(-2.9,1) 5(-2.9,0.6) 6(-2.9,0.2) 7(-2.9,-0.2) 8(-2.9,-0.6) 9(-2.9,-1) 10(-2.9,-1.4) 11(-2.9,-1.8) 12(-2.9,-2.2) 25(2.9,-2.2) 26(2.9,-1.8) 27(2.9,-1.4) 28(2.9,-1) 29(2.9,-0.6) 30(2.9,-0.2) 31(2.9,0.2) 32(2.9,0.6) 33(2.9,1) 34(2.9,1.4) 35(2.9,1.8) 36(2.9,2.2)
  rect 0.2x0.85 smd mask+0: 13(-2.2,-2.9) 14(-1.8,-2.9) 15(-1.4,-2.9) 16(-1,-2.9) 17(-0.6,-2.9) 18(-0.2,-2.9) 19(0.2,-2.9) 20(0.6,-2.9) 21(1,-2.9) 22(1.4,-2.9) 23(1.8,-2.9) 24(2.2,-2.9) 37(2.2,2.9) 38(1.8,2.9) 39(1.4,2.9) 40(1,2.9) 41(0.6,2.9) 42(0.2,2.9) 43(-0.2,2.9) 44(-0.6,2.9) 45(-1,2.9) 46(-1.4,2.9) 47(-1.8,2.9) 48(-2.2,2.9)
  rect 4.6x4.6 smd mask+0: 49(0,0)
  silkscreen extent -3.92,-3.15 3.15,3.15
qfn64_atsamg55j19a_no_vias [mm] "IC MCU 32BIT 512KB FLASH QFN64"
  rect 0.8x0.2 smd mask+0: 1(-3.675,3) 2(-3.675,2.6) 3(-3.675,2.2) 4(-3.675,1.8) 5(-3.675,1.4) 6(-3.675,1) 7(-3.675,0.6) 8(-3.675,0.2) 9(-3.675,-0.2) 10(-3.675,-0.6) 11(-3.675,-1) 12(-3.675,-1.4) 13(-3.675,-1.8) 14(-3.675,-2.2) 15(-3.675,-2.6) 16(-3.675,-3) 33(3.675,-3) 34(3.675,-2.6) 35(3.675,-2.2) 36(3.675,-1.8) 37(3.675,-1.4) 38(3.675,-1) 39(3.675,-0.6) 40(3.675,-0.2) 41(3.675,0.2) 42(3.675,0.6) 43(3.675,1) 44(3.675,1.4) 45(3.675,1.8) 46(3.675,2.2) 47(3.675,2.6) 48(3.675,3)
  rect 0.2x0.8 smd mask+0: 17(-3,-3.675) 18(-2.6,-3.675) 19(-2.2,-3.675) 20(-1.8,-3.675) 21(-1.4,-3.675) 22(-1,-3.675) 23(-0.6,-3.675) 24(-0.2,-3.675) 25(0.2,-3.675) 26(0.6,-3.675) 27(1,-3.675) 28(1.4,-3.675) 29(1.8,-3.675) 30(2.2,-3.675) 31(2.6,-3.675) 32(3,-3.675) 49(3,3.675) 50(2.6,3.675) 51(2.2,3.675) 52(1.8,3.675) 53(1.4,3.675) 54(1,3.675) 55(0.6,3.675) 56(0.2,3.675) 57(-0.2,3.675) 58(-0.6,3.675) 59(-1,3.675) 60(-1.4,3.675) 61(-1.8,3.675) 62(-2.2,3.675) 63(-2.6,3.675) 64(-3,3.675)
  rect 6.2x6.2 smd paste-6.2 mask+0: 65(0,0)
  silkscreen extent -4.32,-3.9 3.9,3.9
SOD523 [mm] "DIODE SCHOTTKY 30V 200MA SOD523"
  rect 0.48x0.4 smd mask+0: A(-0.66,0) C(0.66,0)
  silkscreen extent -0.6,-0.5 0.6,0.5
son4_tlv707dqn [mm] "IC REG LDO 3.3V 0.2A 4X2SON"
  round 0.15 smd paste-5 mask+0: 1(0.33,0.5) 2(-0.33,0.5) 3(-0.34,-0.48) 4(0.34,-0.47)
  rect 0.58x0.58 smd rot 45 paste-0.065 mask+0: 5(0,0)
  silkscreen extent -0.64,-0.77 0.64,0.9
STDFN8_SLG59M1599V [mm] "STDFN8_SLG59M1599V"
  rect 0.8x0.19 smd: 1(-0.5,0.6) 2(-0.5,0.2) 3(-0.5,-0.2) 4(-0.5,-0.6) 5(0.5,-0.6) 6(0.5,-0.2) 7(0.5,0.2) 8(0.5,0.6)
  silkscreen extent -0.77,0.9 -0.68,1
TP-S100_SMT [mm] "TP-S100_SMT"
  round 1 smd paste-0.5: 1(0,0)
Xtal_abm12 [mm] "xtal_abm12"
  rect 0.6x0.5 smd mask+0: 1(-0.55,-0.4) 2(0.55,-0.4) 3(0.55,0.4) 4(-0.55,0.4)
  silkscreen extent -1.17,-1.17 1.14,0.89
xtal_abs06 [mm] "Crystal 32.7680kHz 10ppm 9pF 90 kOhm -40°C - 85°C Surface Mount 2-SMD"
  rect 0.75x1.4 smd: 1(-0.725,0) 2(0.725,0)
  silkscreen extent 0,-0.55 0,0.55
XTAL_SiT1602_250x200x80 [mm] "OSC MEMS 48.000MHZ H/LV-CMOS SMD"
  rect 1.1x1 smd: 1(-0.95,-0.75) 2(0.95,-0.75) 3(0.95,0.75) 4(-0.95,0.75)
  silkscreen extent -1.58,-1.84 -1.41,-1.66

## Part data
C1 C12 C17 C21 C77 C81 C91: library part GRM155R60J475ME47D, "CAP CER 4.7UF 6.3V 20% X5R 0402"
C2 C3 C4 C5 C6 C7 C8 C9 C10 C11 C13 C14 C15 C16 C18 C20 C41 C42 C45 C52 C74 C75 C76 C78 C79 C80 C82 C83 C84 C85 C86 C87 C92 C93 C94 C95 C96 C116 C117: library part CL03A104KP3NNNC, "CAP CER 0.1UF 10V 10% X5R 0201"
C19 C38 C39 C46 C47 C48 C49 C51: library part CL10A106MA8NRNC, "CAP CER 10UF 25V 20% X5R 0603"
C37 C40 C50: library part GRM21BR60J476ME15L, "CAP CER 47UF 6.3V X5R 0805"
C57: library part GJM0335C1E1R2BB01D, "Multilayer Ceramic Capacitors MLCC - SMD/SMT 0201 1.2pF 25Volts C0G +/-0.1pF"
C88 C89: library part C0603C0G1E180J030BA, "CAP CER 18PF 25V 5% NP0 0201"
C90: library part CL05A105KO5NNNC, "CAP CER 1UF 16V X5R 0402"
C97: library part GRM0335C1E101JA01D, "CAP CER 100PF 25V 5% NP0 0201"
C98: library part GJM0335C1ER80BB01D, "0.80pF ±0.1pF 25V C0G, NP0 Ceramic Capacitor -55°C ~ 125°C Surface Mount, MLCC 0201 (0603 Metric) 0.024\" L x 0.012\" W (0.60mm x 0.30mm)"
C99: library part C0603C0G1E0R8W030BF, "CAP CER 0.8PF 25V NP0 0201"
C102 C103: library part GRM0335C1H3R9BA01D, "CAP CER 3.9PF 50V C0G 0201"
D1: "DIODE SCHOTTKY 30V 200MA SOD523"
J1: "CONN HDR 100POS 0.4MM SMD GOLD"
J2: "CONN HDR 80POS 0.4MM SMD GOLD"
J3: library part U.FL-R-SMT(10), "CONN RECPT ULTRA-MINI COAX SMD"
L3: library part LQP15MN15NG02D, "IND, 15 nH, 2%, 0402"
L4: library part CBMF1608T100K, "INDUCTOR 10UH 115MA 0603"
L5: library part LQP03TN3N9B02D, "FIXED IND 3.9NH 400MA 300 MOHM 0201"
L127: library part LQP03TN1N8B02D, "FIXED IND 1.8NH 600MA 150 MOHM"
M1 M2: "MTG, 3.00 mm Pad, 1.30 mm throughhole, PLATED"
R1 R2 R3 R4 R5 R9 R11 R12 R15 R109 R110 R112 R122 R126: library part RC0201FR-0710KL, "RES 10K OHM 1/20W 1% 0201 SMD"
R6 R7: library part ERJ-1GEF37R4C, "RES 37.4 OHM 1% 0201 SMD"
R8 R14: library part ERJ-1GE0R00C, "RES SMD 0.0OHM JUMPER 1/20W 0201"
R10 R111 R113 R114 R115 R116 R117 R120 R125 R128 R129 R130 R164: library part RC0201FR-0733R, "RES 33 OHM 1/20W 1% 0201 SMD"
R13: library part ERJ-1GEF1001C, "RES 1.00K OHM 1/20W 1% 0201 SMD"
R16: library part RC0201FR-07100RL, "RES 100 OHM 1/20W 1% 0201 SMD"
R41 R42 R43 R44: library part ERJ-1GEF1782C, "RES SMD 17.8K OHM 1% 1/20W 0201"
R53 R54: library part ERJ-1GEF4701C, "RES 4.70K OHM 1/20W 1% 0201 SMD"
R118: library part ERJ-1GEF2702C, "RES 27K OHM 1/20W 1% 0201 SMD"
R119: library part RC0201JR-0747KL, "RES 47K OHM 1/20W 5% 0201 SMD"
TP1 TP2 TP3 TP4 TP5 TP6 TP7 TP8 TP9 TP10 TP11 TP12 TP13 TP14 TP15 TP16: library part TP0042, "TESTPOINT, 1MM SMD, Square pad, Round SM opening"
U1: "IC FPGA 95 I/O 132CBGA"
U2 U3: "Dual 40mohm 1A Load Switch"
U4: "DC/DC CONVERTER 0.6-5.2V 3W"
U6 U13: "IC REG LDO 3.3V 0.2A 4X2SON"
U23: "6-axis Gyroscope/Accelerometer"
U24: "IC MCU 32BIT 512KB FLASH 64VQFN"
U25: library part nRF52832-QFAA, "IC SOC 2.4GHZ 512K FLASH QFN"
Y1: "CRYSTAL 32.768 KHZ 9PF SMD"
Y2: library part ABM12-32.000MHZ-B2X-T3, "Crystal 32.0000MHz 20ppm 8pF 100 Ohm -20°C - 70°C Surface Mount 4-SMD, No Lead (DFN, LCC)"
Y3: library part SIT1602AI-12-33E-48.000000G, "OSC MEMS 48.000MHZ H/LV-CMOS SMD"

## Via types
v1: diameter 0.4, hole 0.2, Layer 1 to Layer 6, tented both sides, 358 vias
v2: diameter 0.381, hole 0.279, Layer 4 to Layer 6, tented bottom, 80 vias

## Nets (pads, with @x,y where several pads share a name; then routed paths per layer and width w, separated by ;. In a path a pad name is that pad's centre, name@x,y a point inside that pad or via, vN(x,y) a via of type N, cw(c..) or ccw(c..) an arc to the next point about the centre after c; other vN are vias at no path point)
ANT: C98.1 L5.1 U25.30 | length 1.7
  Layer 1 w0.2: U25.30@5.7,-6.1 5.7,-5.55 5.8,-5.45
  Layer 1 w0.279: 5.8,-5.45 C98.1@5.8,-5.1 L5.1@5.8,-4.4
BATCHG_INT: J2.63 U24.62 | length 18.5
  Layer 1 w0.1: v1(16,-4.1) 16.2,-4.3 U24.62@16.2,-4.9
  Layer 4 w0.1: v2(15.9,-15.1) 15.9,-15.075 16.25,-14.725 17.375,-14.725 18.4,-13.7 18.4,-12.775 18.1,-12.475 17.255,-12.475 17.25,-12.48 16.155,-12.48 15.1,-11.425 15.1,-10.32 13.7,-8.92 13.7,-8.61 15.31,-7 15.31,-5.67 15.61,-5.37 15.61,-4.49 v1(16,-4.1)
  Layer 6 w0.1: v2(15.9,-15.1) 16.05,-14.95 16.05,-14.405 J2.63@16.1,-14.355
FLEX_A_MISO: J2.51 U24.47 | length 20.3
  Layer 1 w0.1: U24.47@22.075,-5.975 22.55,-5.975 22.7,-5.825 22.7,-4.9 v1(22.4,-4.6)
  Layer 3 w0.1: v1(14.6,-12.85) 14.6,-12.775 15.075,-12.3 20.675,-12.3 22.55,-10.425 22.925,-10.425 23.15,-10.2 23.15,-9.83 22.945,-9.625 22.7,-9.625 21.75,-8.675 21.75,-6.05 22.475,-5.325 22.475,-4.95 22.4,-4.875 v1(22.4,-4.6)
  Layer 6 w0.1: J2.51@13.7,-14.355 13.7,-13.95 14.15,-13.5 14.15,-13.275 14.562,-12.863 14.55,-12.85 v1(14.6,-12.85)
FLEX_A_MOSI: J2.53 R120.1 | length 21.2
  Layer 1 w0.1: R120.1@21.3,-3.1 v1(21.3,-2.6)
  Layer 4 w0.1: v2@14.585,-13.36 15.01,-12.935 15.01,-12.16 14.48,-11.63 14.48,-10.28 13.7,-9.5 13.7,-9.203 13.5,-9.003 13.5,-8.42 14.64,-7.28 14.64,-5.81 15.17,-5.28 15.17,-4.43 15.9,-3.7 17.5,-3.7 18.6,-4.8 20.975,-4.8 21.55,-4.225 21.55,-2.85 v1(21.3,-2.6)
  Layer 6 w0.1: J2.53@14.1,-14.355 14.1,-13.925 14.575,-13.45 v2(14.575,-13.35)
FLEX_A_SCLK: J2.55 R113.1 | length 13.5
  Layer 1 w0.1: R113.1@23.9,-9.575 24,-9.675 24.1,-9.575 v1(24.55,-9.575)
  Layer 6 w0.1: J2.55@14.5,-14.355 14.5,-13.925 15.075,-13.35 19.875,-13.35 20.45,-12.775 22.22,-12.775 23.625,-11.37 23.625,-10.525 24.55,-9.6 v1(24.55,-9.575)
FLEX_B_MISO: J2.74 U24.39 | length 7.9
  Layer 1 w0.1: U24.39@22.075,-9.175 v1(22.8,-9.175)
  Layer 6 w0.1: J2.74@18.1,-11.645 18.1,-11.1 18,-11 18,-9.4 18.225,-9.175 v1(22.8,-9.175)
FLEX_B_MOSI: J2.76 R114.1 | length 8.4
  Layer 1 w0.1: R114.1@23.9,-8.775 23.925,-8.8 v1(24.55,-8.8)
  Layer 6 w0.1: J2.76@18.5,-11.645 18.5,-11.1 18.925,-10.675 18.925,-10.4 19.225,-10.1 21.175,-10.1 21.7,-9.575 23.775,-9.575 v1(24.55,-8.8)
FLEX_B_SCLK: J2.72 R125.2 | length 13
  Layer 1 w0.1: R125.2@20.6,-3.2 R125.2@20.6,-3.1 20.8,-2.9 v1(20.8,-2.6)
  Layer 6 w0.1: J2.72@17.7,-11.645 17.7,-11.1 17.8,-11 17.8,-8.5 18.2,-8.1 20.7,-8.1 21.1,-7.7 21.1,-5.025 21.4,-4.725 21.4,-3.6 20.8,-3 v1(20.8,-2.6)
FLEX_C_MISO: J2.30 R128.1 R164.1 U24.4 | length 32.2
  Layer 1 w0.1: v1(9.675,-9.35) 9.925,-9.1 R128.1@10.2,-9.1 10.2,-8 11.6,-6.6 12.375,-6.6 12.825,-7.05 13.95,-7.05 14.225,-6.775 U24.4@14.725,-6.775 ; R164.1@18.075,2.2 18.35,2.475 19.025,2.475 v1(19.4,2.1)
  Layer 3 w0.1: v1(8.7,-12.575) 8.7,-10.325 v1(9.675,-9.35) 10.25,-8.775 12.515,-8.775 15.44,-5.85 17.925,-5.85 19.2,-4.575 19.2,-2.95 18.775,-2.525 18.775,1.2 19.4,1.825 v1(19.4,2.1)
  Layer 6 w0.1: v1(8.7,-12.575) 8.775,-12.575 9.3,-12.05 J2.30@9.3,-11.645
FLEX_C_MOSI: J2.28 R111.2 U23.24 U25.15 | length 25.8
  Layer 1 w0.1: U25.15@8.4,-10.4 8.9,-10.4 9.125,-10.175 v1(9.575,-10.175) 10.375,-10.175 10.4,-10.2 10.7,-9.9 10.7,-7.9 11.8,-6.8 12.225,-6.8 12.85,-7.425 13.075,-7.425 R111.2@13.1,-7.45 ; U23.24@18.825,-2.2 v1(19.325,-2.2)
  Layer 3 w0.1: v1(9.575,-10.175) 9.575,-10.15 10.6,-9.125 14.8,-9.125 15.87,-8.055 15.87,-6.455 16.225,-6.1 17.975,-6.1 19.55,-4.525 19.55,-2.75 19.325,-2.525 v1(19.325,-2.2)
  Layer 6 w0.1: J2.28@8.9,-11.645 8.9,-11.2 8.85,-11.15 8.85,-10.625 9.3,-10.175 v1(9.575,-10.175)
FLEX_C_SCLK: J2.26 R117.1 U23.23 U25.17 | length 19.2
  Layer 1 w0.1: U25.17@8.4,-9.6 8.925,-9.6 9.225,-9.3 v1@9.225,-9.05 ; R117.1@17.975,-3.325 17.975,-3.25 v1(18.425,-2.8) U23.23@18.425,-2.2
  Layer 3 w0.1: v1(9.25,-9.05) 12.76,-5.54 16.16,-5.54 16.625,-5.075 18.4,-5.075 18.875,-4.6 18.875,-3.25 v1(18.425,-2.8)
  Layer 6 w0.1: J2.26@8.5,-11.645 8.5,-9.8 9.312,-8.988 9.25,-8.926 v1(9.25,-9.05)
FPGA_CDONE: R13.2 R14.2 TP5.1 U1.M10 U24.56 | length 12.9
  Layer 1 w0.1: TP5.1@13.5,-3.6 13.55,-3.65 13.55,-4.375 13.6,-4.325 13.674,-4.399 v1(13.525,-4.399) ; v1(18.525,-4.15) 18.525,-4.375 18.6,-4.45 U24.56@18.6,-4.9
  Layer 3 w0.1: v1(13.525,-4.399) 14.126,-4.399 14.3,-4.225 15.15,-4.225 15.625,-3.75 15.9,-3.75 16.15,-3.5 17.875,-3.5 v1(18.525,-4.15)
  Layer 6 w0.083: U1.M10@14,-0.125 13.75,-0.375 13.75,-0.728 13.897,-0.875 14.102,-0.875 14.25,-1.022 14.25,-2.475 14.15,-2.575 14.15,-3.3 R13.2@14.1,-3.3
  Layer 6 w0.1: v1(13.525,-4.399) 13.5,-4.374 13.5,-4 R14.2@13.4,-3.9 13.65,-3.9 13.75,-3.8 13.75,-3.45 13.85,-3.35 14.05,-3.35 R13.2@14.1,-3.3
FPGA_CRESET: C18.1 R15.2 TP6.1 U1.L10 U24.34 | length 24.1
  Layer 1 w0.1: U24.34@22.075,-11.175 22.575,-11.175 v1(22.8,-11.4) 22.8,-11.7 TP6.1@23.4,-12.3 23.4,-12.425 23.75,-12.775 R15.2@23.75,-13.2 C18.1@24.3,-13.2
  Layer 4 w0.1: v2(20.325,-0.35) 20.35,-0.35 22.75,-2.75 22.75,-4.1 24.25,-5.6 24.25,-6.65 23.3,-7.6 23.3,-10.9 v1(22.8,-11.4)
  Layer 6 w0.083: U1.L10@13.5,-0.125 13.75,0.125 14.5,0.125 14.725,-0.1 14.725,-0.25 14.85,-0.375 20.3,-0.375 v2(20.325,-0.35)
FPGA_DATA_RDY: U1.N14 U24.60 | length 4.7
  Layer 1 w0.1: v1(16.775,-4.1) 17,-4.325 U24.60@17,-4.9
  Layer 6 w0.083: U1.N14@14.5,-2.125 14.75,-1.875 15.2,-1.875 15.425,-2.1 15.425,-2.725 15.6,-2.9
  Layer 6 w0.1: 15.6,-2.9 15.795,-2.9 16.05,-3.155 16.05,-3.375 v1(16.775,-4.1)
FPGA_GPIO_1: J2.34 U1.B14 | length 10.3
  Layer 6 w0.1: U1.B14@9,-2.125 9,-4 9.475,-4.475 9.475,-5.175 10.45,-6.15 10.45,-7.875 10.075,-8.25 10.075,-11.62 J2.34@10.1,-11.645
FPGA_GPIO_2: J2.36 U1.D12 | length 11.7
  Layer 6 w0.083: 9.25,-2.9 9.25,-1.875 U1.D12@10,-1.125
  Layer 6 w0.1: 9.25,-2.9 9.25,-3.925 9.725,-4.4 9.725,-5.1 10.7,-6.075 10.7,-7.95 10.3,-8.35 10.3,-11.175 10.5,-11.375 J2.36@10.5,-11.645
FPGA_GPIO_3: J2.38 U1.C14 | length 10.5
  Layer 6 w0.1: U1.C14@9.5,-2.125 9.5,-3.85 9.975,-4.325 9.975,-5.025 10.95,-6 10.95,-7.983 10.5,-8.433 10.5,-10.988 10.9,-11.388 J2.38@10.9,-11.645
FPGA_GPIO_4: J2.40 U1.E12 | length 11.8
  Layer 6 w0.083: 9.75,-2.925 9.75,-1.875 U1.E12@10.5,-1.125
  Layer 6 w0.1: 9.75,-2.925 9.75,-3.775 10.25,-4.275 10.25,-4.95 11.15,-5.85 11.15,-8.375 10.85,-8.675 10.85,-10.35 11,-10.5 11.15,-10.5 11.3,-10.65 J2.40@11.3,-11.645